# Altium PCB Bad-Fox Prototype.PcbDoc (part 3 of 6)
Units mm, origin at the board's own origin, x right, y up, seen from the top; angles counter-clockwise.
Board outline 285 x 218 mm, 4 copper layers (Top Layer, Layer 1, Layer 2, Bottom Layer), stack 1.583 mm thick; 201 components, 119 nets, 7816 pads, 1897 vias.
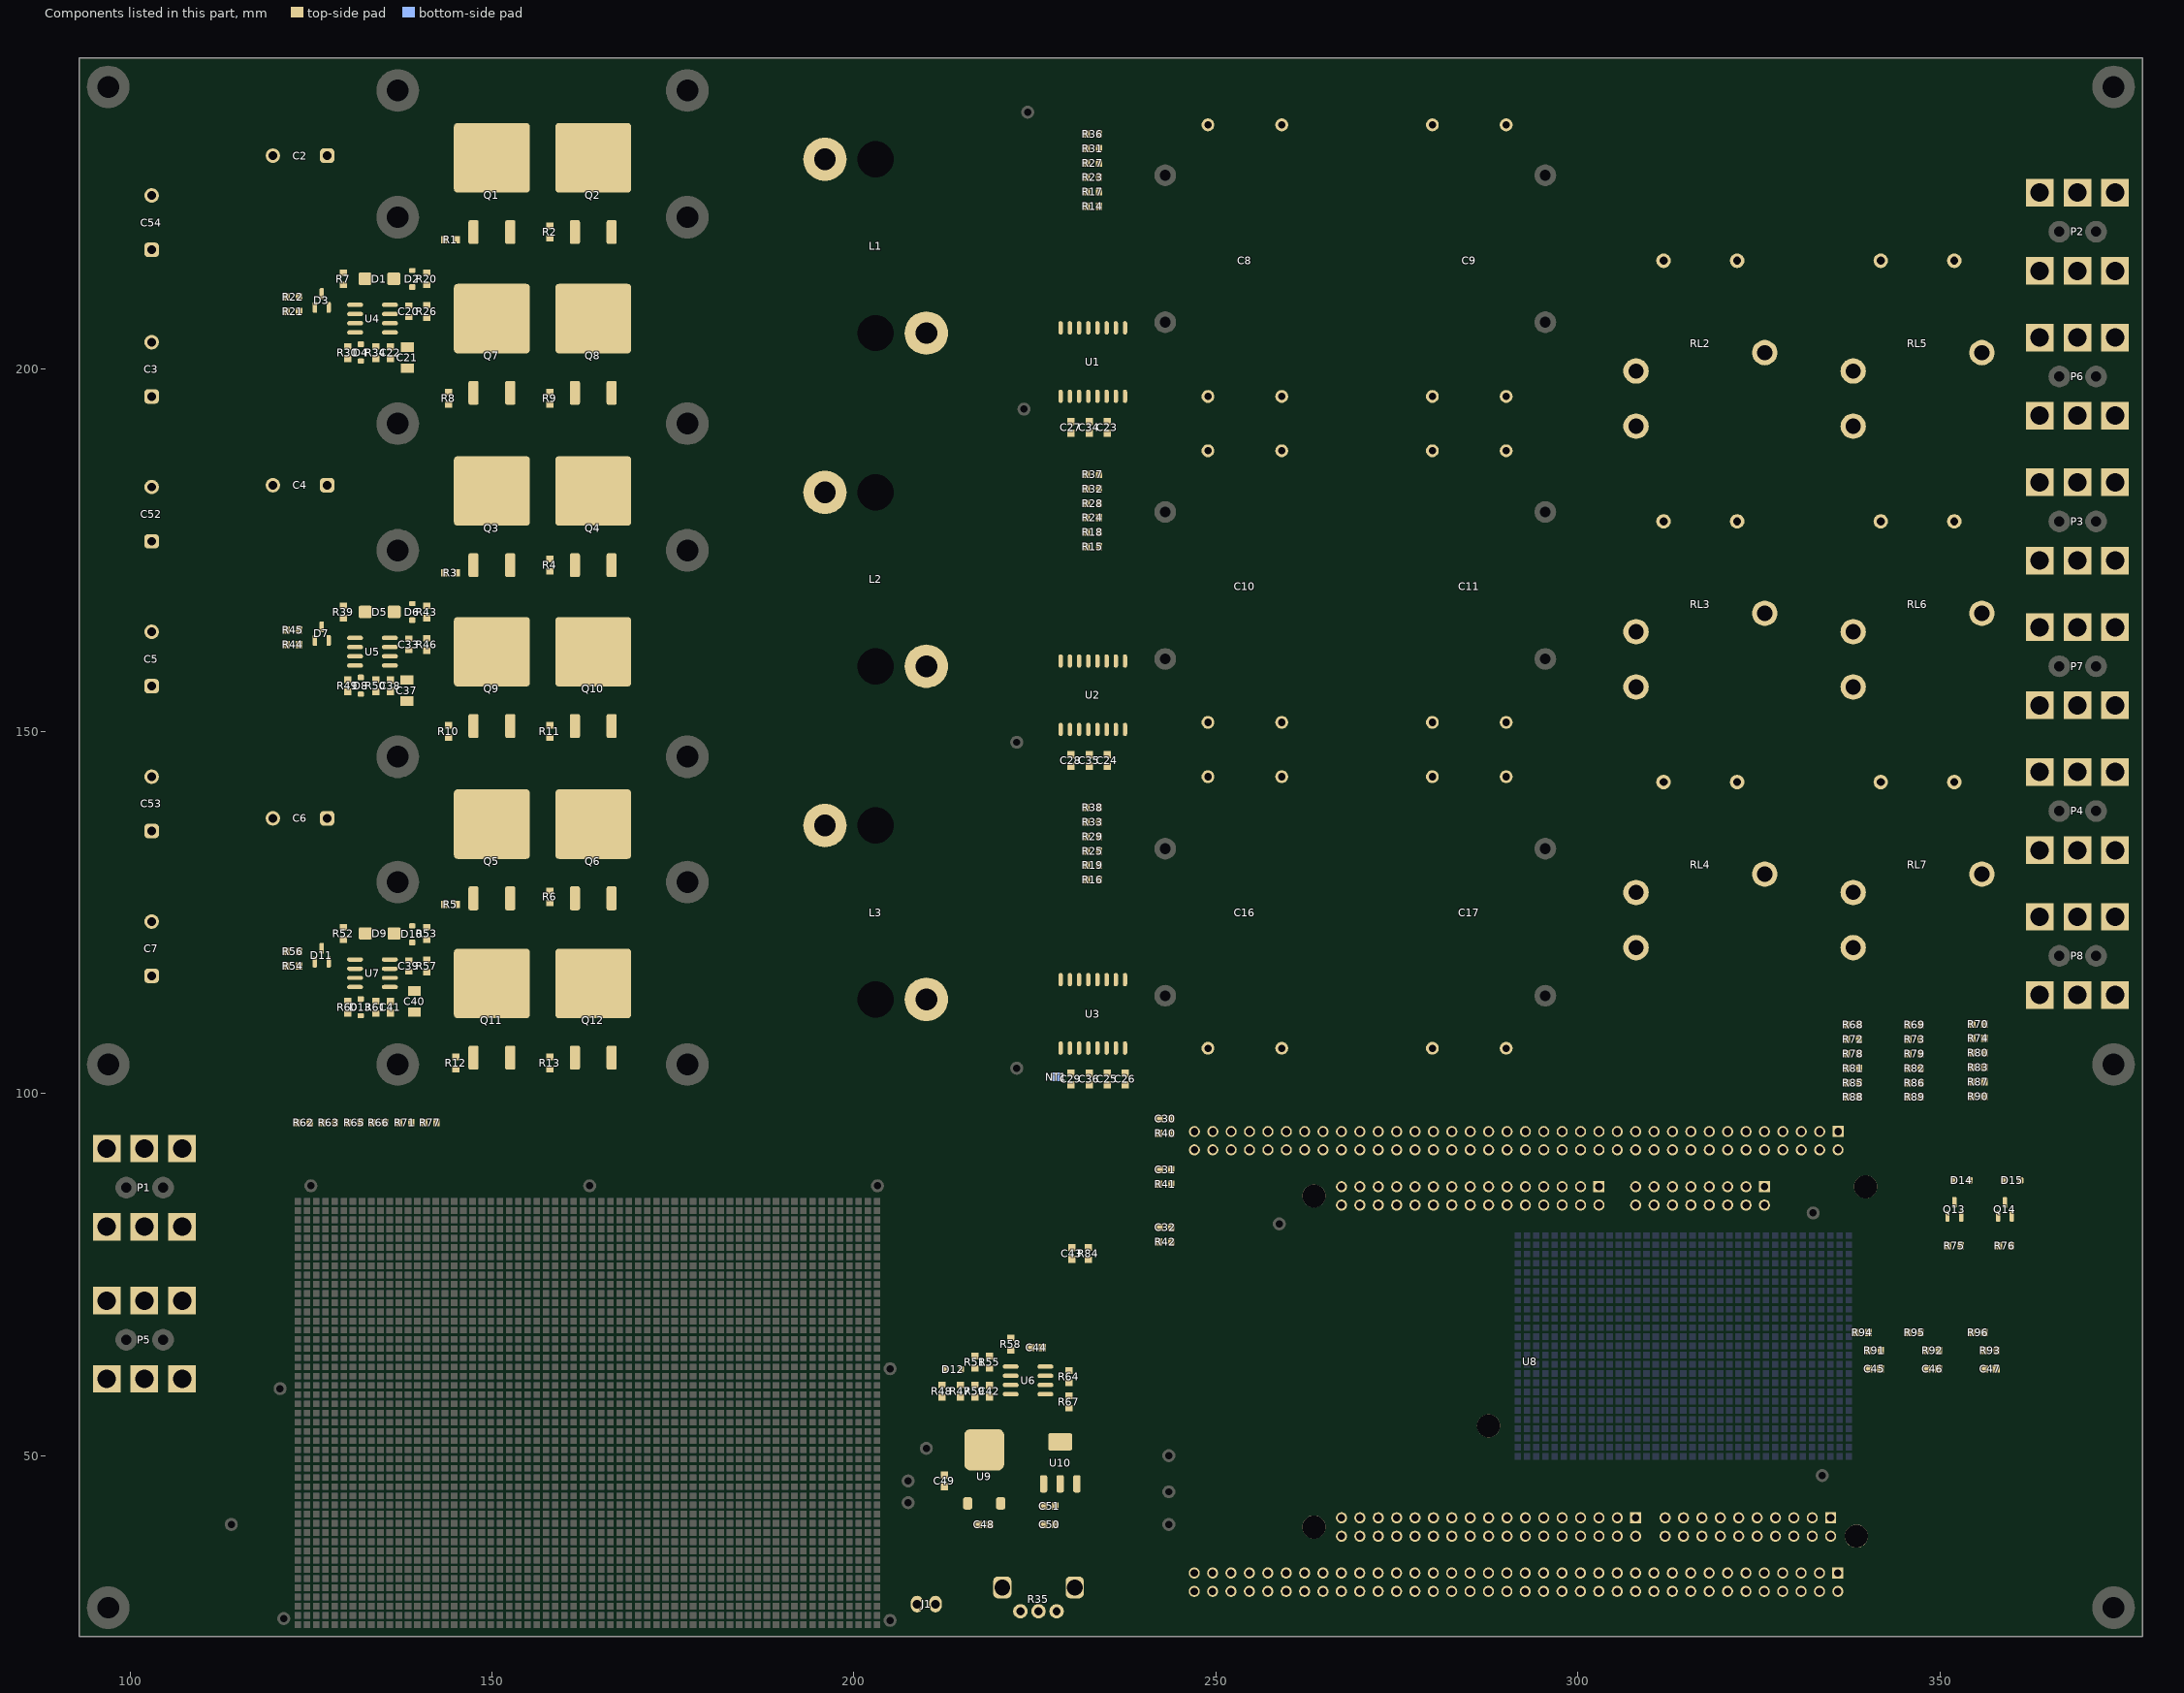
[diagram p5: the components of this part, seen from the top]

## Free pads (board coordinates) (continued)
  rect 0.9x0.9 smd paste-2: ""(199.39,74.93) ""(199.39,76.2) ""(199.39,77.47) ""(199.39,78.74) ""(199.39,80.01) ""(199.39,81.28) ""(199.39,82.55) ""(199.39,83.82) ""(199.39,85.09) ""(200.66,26.67) ""(200.66,27.94) ""(200.66,29.21) ""(200.66,30.48) ""(200.66,31.75) ""(200.66,33.02) ""(200.66,34.29) ""(200.66,35.56) ""(200.66,36.83) ""(200.66,38.1) ""(200.66,39.37) ""(200.66,40.64) ""(200.66,41.91) ""(200.66,43.18) ""(200.66,44.45) ""(200.66,45.72) ""(200.66,46.99) ""(200.66,48.26) ""(200.66,49.53) ""(200.66,50.8) ""(200.66,52.07) ""(200.66,53.34) ""(200.66,54.61) ""(200.66,55.88) ""(200.66,57.15) ""(200.66,58.42) ""(200.66,59.69) ""(200.66,60.96) ""(200.66,62.23) ""(200.66,63.5) ""(200.66,64.77) ""(200.66,66.04) ""(200.66,67.31) ""(200.66,68.58) ""(200.66,69.85) ""(200.66,71.12) ""(200.66,72.39) ""(200.66,73.66) ""(200.66,74.93) ""(200.66,76.2) ""(200.66,77.47) ""(200.66,78.74) ""(200.66,80.01) ""(200.66,81.28) ""(200.66,82.55) ""(200.66,83.82) ""(200.66,85.09) ""(201.93,26.67) ""(201.93,27.94) ""(201.93,29.21) ""(201.93,30.48) ""(201.93,31.75) ""(201.93,33.02) ""(201.93,34.29) ""(201.93,35.56) ""(201.93,36.83) ""(201.93,38.1) ""(201.93,39.37) ""(201.93,40.64) ""(201.93,41.91) ""(201.93,43.18) ""(201.93,44.45) ""(201.93,45.72) ""(201.93,46.99) ""(201.93,48.26) ""(201.93,49.53) ""(201.93,50.8) ""(201.93,52.07) ""(201.93,53.34) ""(201.93,54.61) ""(201.93,55.88) ""(201.93,57.15) ""(201.93,58.42) ""(201.93,59.69) ""(201.93,60.96) ""(201.93,62.23) ""(201.93,63.5) ""(201.93,64.77) ""(201.93,66.04) ""(201.93,67.31) ""(201.93,68.58) ""(201.93,69.85) ""(201.93,71.12) ""(201.93,72.39) ""(201.93,73.66) ""(201.93,74.93) ""(201.93,76.2) ""(201.93,77.47) ""(201.93,78.74) ""(201.93,80.01) ""(201.93,81.28) ""(201.93,82.55) ""(201.93,83.82) ""(201.93,85.09) ""(203.2,26.67) ""(203.2,27.94) ""(203.2,29.21) ""(203.2,30.48) ""(203.2,31.75) ""(203.2,33.02) ""(203.2,34.29) ""(203.2,35.56) ""(203.2,36.83) ""(203.2,38.1) ""(203.2,39.37) ""(203.2,40.64) ""(203.2,41.91) ""(203.2,43.18) ""(203.2,44.45) ""(203.2,45.72) ""(203.2,46.99) ""(203.2,48.26) ""(203.2,49.53) ""(203.2,50.8) ""(203.2,52.07) ""(203.2,53.34) ""(203.2,54.61) ""(203.2,55.88) ""(203.2,57.15) ""(203.2,58.42) ""(203.2,59.69) ""(203.2,60.96) ""(203.2,62.23) ""(203.2,63.5) ""(203.2,64.77) ""(203.2,66.04) ""(203.2,67.31) ""(203.2,68.58) ""(203.2,69.85) ""(203.2,71.12) ""(203.2,72.39) ""(203.2,73.66) ""(203.2,74.93) ""(203.2,76.2) ""(203.2,77.47) ""(203.2,78.74) ""(203.2,80.01) ""(203.2,81.28) ""(203.2,82.55) ""(203.2,83.82) ""(203.2,85.09)